# KiCad board retroslop.kicad_pcb (continued)
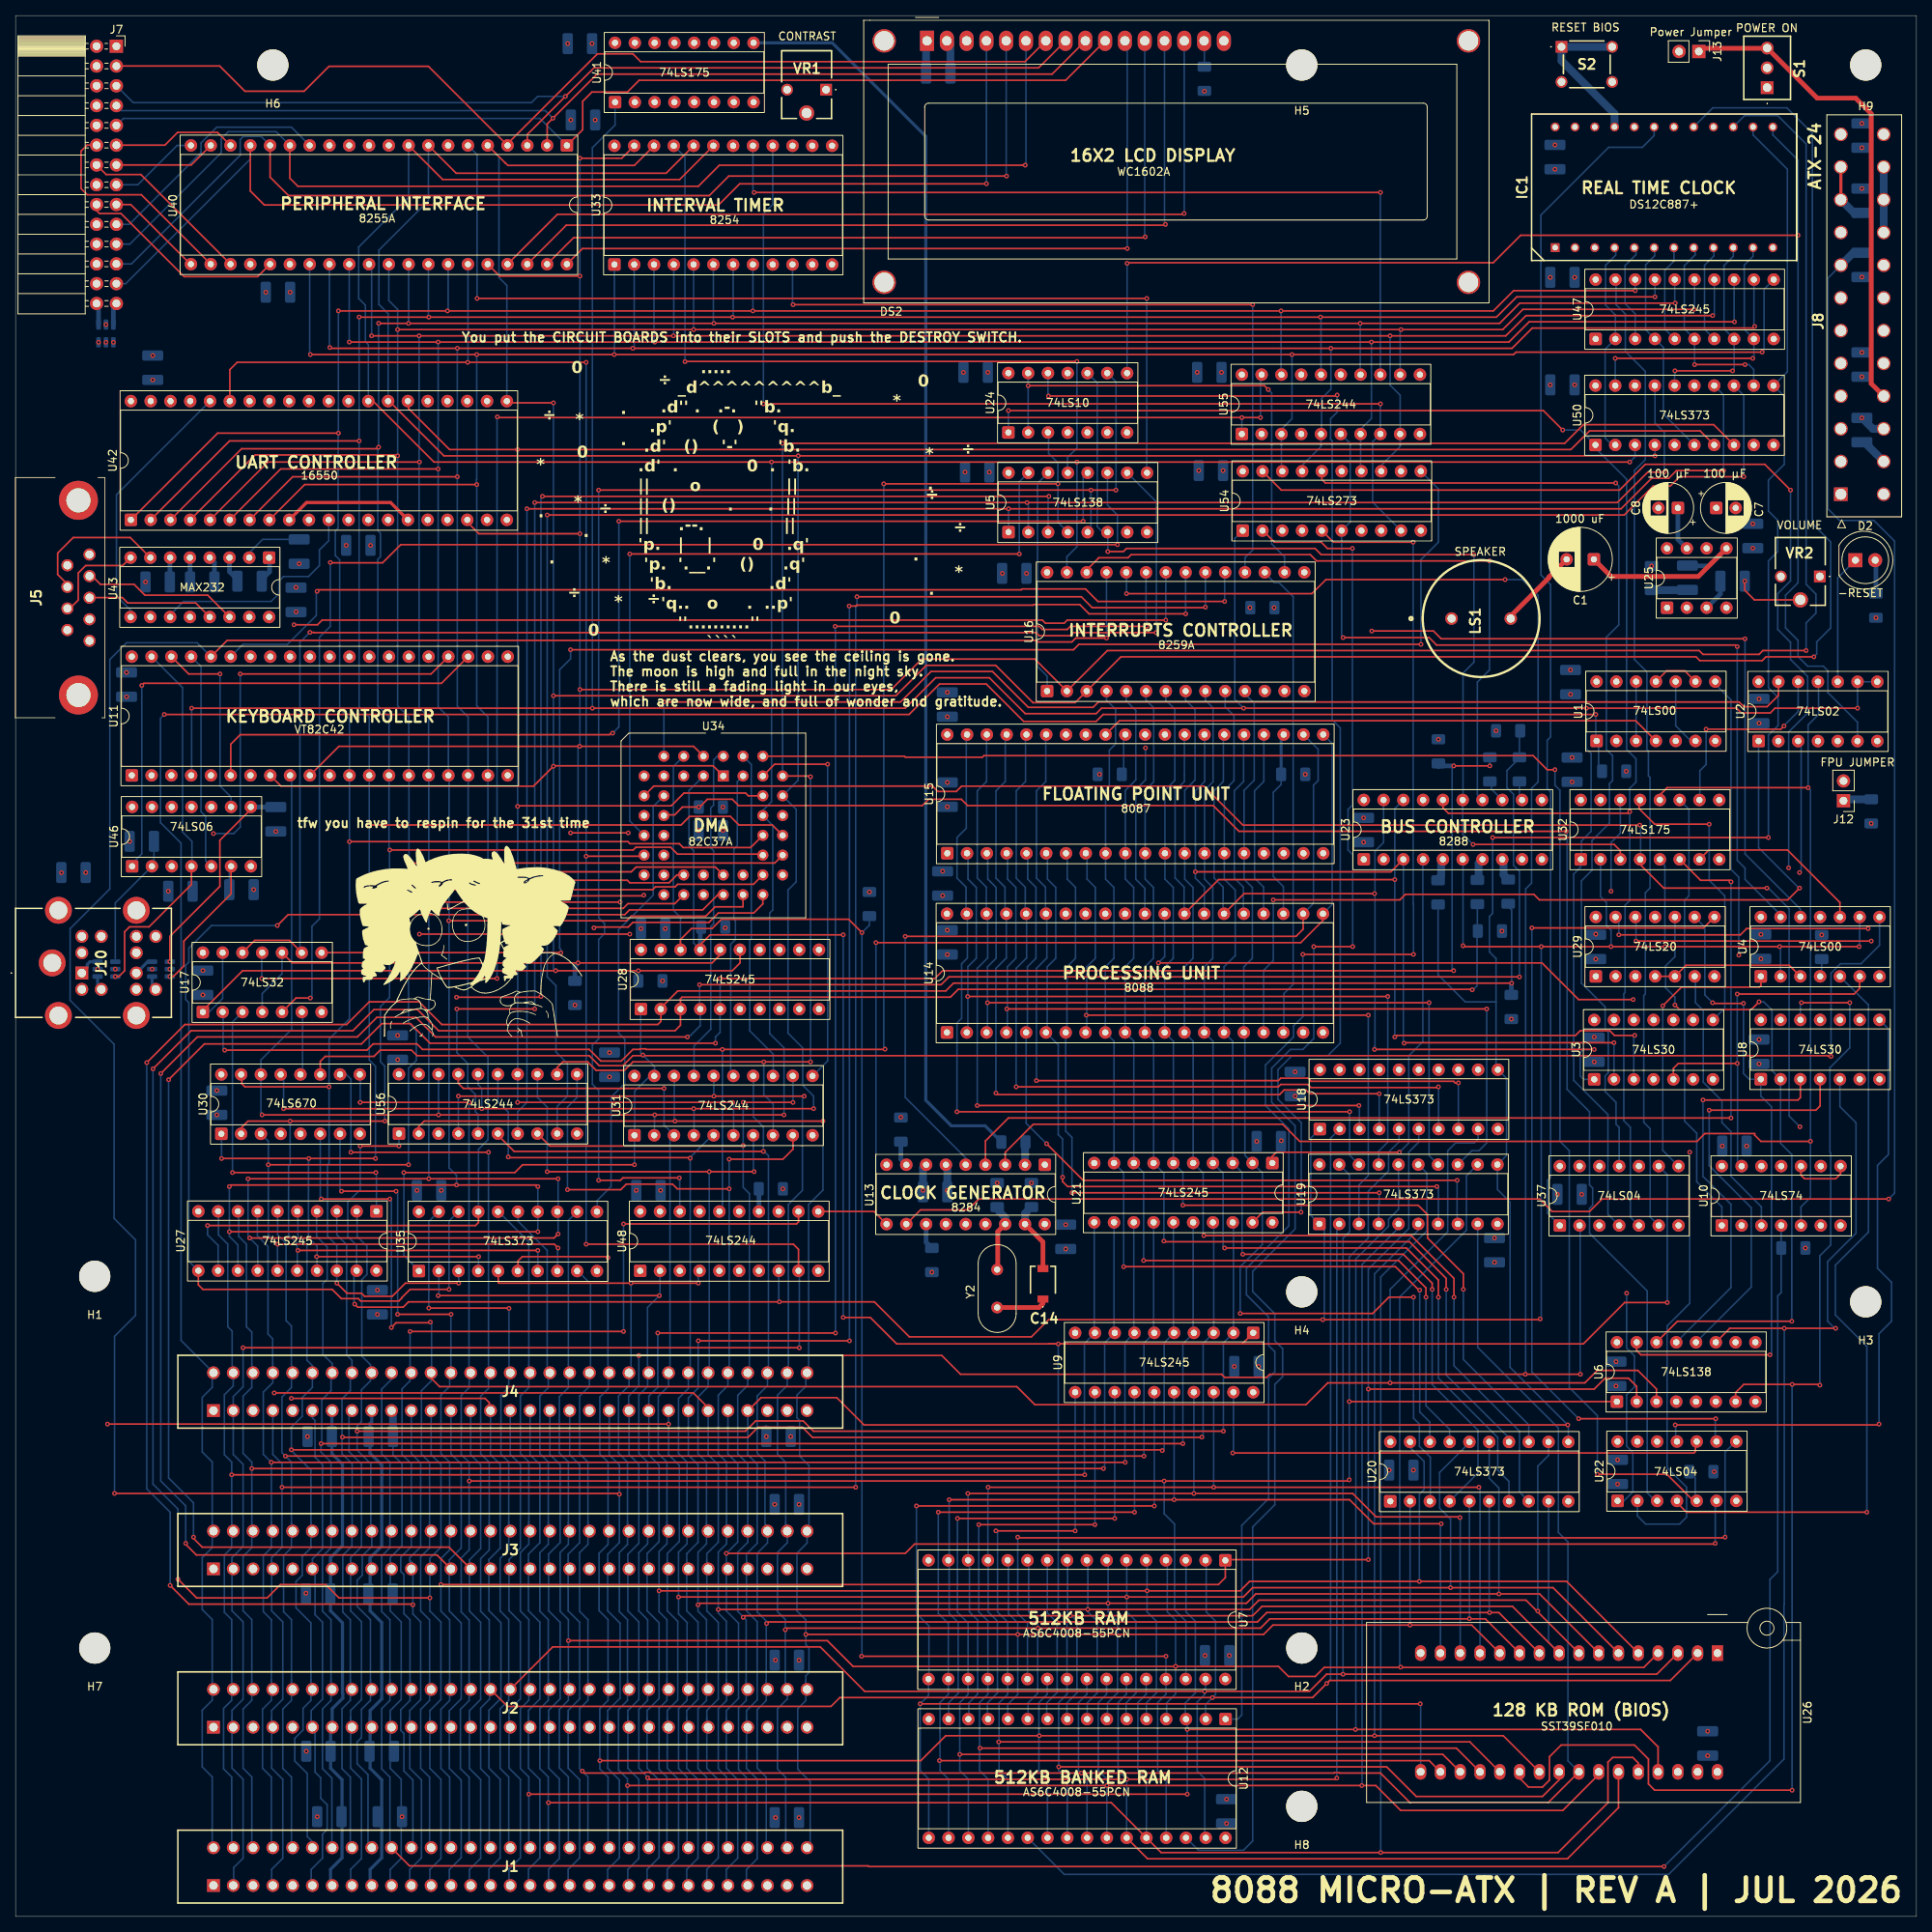
[diagram p0: board, top side]
## Routing (per net, layer and track width the routed paths; a pad name or vN(x,y) marks a point on that pad's centre or on a via; arc(x,y) is an arc through that point) (continued)
+12V: length 497.6
  Top w0.4: J8.10 J8.11
  In2.Cu w0.4: J8.10 236.2,218.46 239.74,218.46 241.6,216.6 241.6,189.4 241,188.8 238.8,188.8 237.8,187.8 237.8,185.8 239,184.6 240.8,184.6 242.4,183 242.4,5.8 238.96,2.36 47.37,2.36 45.72,4.01
  Bottom w0.4: J1.9 45.51,4.18 45.51,6.03 47,7.52 47,17.53 45.51,19.02 45.51,25.55 ; J4.9 45.72,63.52 45.5,63.3 45.5,59.45 47,57.95 47,47.54 45.51,46.05 45.51,45.36 ; 45.51,25.13 45.51,26.43 47,27.92 47,37.73 45.51,39.22 45.51,45.75
  Bottom w1: 237,218.56 236.1,218.56 J8.10
-12V: length 458.6
  In2.Cu w0.4: 239.8,186.8 241.2,186.8 243.2,184.8 243.2,4.6 240,1.4 43.25,1.4 40.64,4.01
  Bottom w0.4: J1.7 40.43,4.18 40.43,6.04 41.9,7.51 41.9,17.56 40.44,19.02 40.44,24.39 40.64,24.59 40.64,26.65 42,28.01 42,28.6 41.96,28.64 41.96,37.69 40.43,39.23 40.43,45.76 ; 40.43,45.37 40.43,46.06 41.96,47.59 41.96,58.04 40.6,59.4 C98.1 40.6,64.89 J4.7 40.5,64.79
  Bottom w1: J8.14 237.32,189.24 C99.1
GND: length 76.1
  Top w1: 234.72,145.84 J12.2
  Bottom w0.2: 48.09,25.55 48.09,19.02 49.5,17.61 49.5,7.44 48.09,6.03 48.09,4.14 J1.10 ; 48.09,45.36 48.09,46.05 49.6,47.56 49.6,58.1 48.44,59.26 C97.2 ; 48.09,45.75 48.09,39.22 49.5,37.81 49.5,27.84 48.09,26.43 48.09,25.13
  Bottom w1: v1(237,192.36) 238.4,190.96 J8.15 ; 116.88,237.2 116.88,240.43 117.2,240.76 ; J4.10 48.44,64.75 C97.2 ; U13.6 119.6,96.31 119.6,93.4 119.6,93.4 v1(119.6,93.2) ; 119.44,113.59 U14.1
  vias: v1(5.9,133.98) v1(11.6,202.06) v1(12.8,121.6) v1(14.24,156.56) v1(14.64,138) v1(16.67,171.3) v1(17.6,200.36) v1(19.6,131.6) v1(19.8,121.6) v1(24.04,118.29) v1(25.84,102.89) v1(30.56,131.8) v1(32.12,208.49) v1(33.4,139.28) v1(36,170.6) v1(36.4,173.64) v1(37.27,41.49) v1(37.31,21.2) v1(37.48,61.6) v1(38.72,12.8) v1(42.44,176) v1(46.44,77.28) v1(49.04,113.09) v1(49.6,12.8) v1(54.64,93.19) v1(70.88,240.4) v1(71.28,230.6) v1(76.24,110.89) v1(82.8,93.2) v1(83.4,126.8) v1(87.68,139.4) v1(99.5,61.6) v1(100.56,52.89) v1(100.56,32.89) v1(100.56,12.69) v1(119,134.16) v1(119.6,157.12) v1(119.6,142.44) v1(119.6,123.47) v1(121.68,198.2) v1(121.88,185.4) v1(126,94.15) v1(126.66,172.4) v1(130.4,94.15) v1(134.8,85.68) v1(151.68,198.2) v1(151.88,185.6) v1(152.68,33.49) v1(155.44,15.05) v1(156.44,70.6) v1(159.31,99.49) v1(164.24,105.29) v1(173.04,137.89) v1(179.44,57.29) v1(189.84,87.09) v1(197,210.4) v1(197,196.6) v1(197.6,224.28) v1(199.6,156.88) v1(199.8,148.76) v1(201.04,92.69) v1(202.64,109.69) v1(202.84,122.89) v1(205.44,68.09) v1(205.64,55.49) v1(210,173.35) v1(217.2,23.76) v1(222.2,98.89) v1(223,178.76) v1(223.8,153.17) v1(223.8,109.44) v1(224.04,122.93) v1(237,230.16) v1(237,221.8) v1(237,210.44) v1(237,200.76)
/Bus Driver/A0: length 286
  Top w0.2: v1(103.64,102.09) v1(84.64,102.09) 52.44,102.09 51.75,101.4 U56.2 ; v1(101.44,36.2) v1(128.64,36.2) 160.2,36.2 161.4,37.4 186.92,37.4 U26.12
  Bottom w0.2: 178.84,53.13 U20.2 v1(179,37.4) ; 101.44,29.96 101.44,30.89 101.84,31.29 101.84,34.49 101.44,34.89 v1(101.44,36.2) 101.44,38.06 100.3,39.2 100.3,46.63 101.6,47.93 J3.62 101.84,49.7 101.84,57.89 100.64,59.09 100.64,63.66 100.3,64 100.3,66.92 101.44,68.06 101.44,69.62 J4.62 101.8,69.98 101.8,91.4 103.64,93.24 v1(103.64,102.09) ; J1.62 102,9.22 102,17.3 100.4,18.9 100.4,26.66 101.44,27.7 101.44,30.38 ; v1(84.64,102.09) 84.55,102.18 84.55,107.91 ; 127.36,25.13 127.36,27.21 128.64,28.49 128.64,37.69 127.44,38.89 127.44,45.4 127.33,45.51
/Bus Driver/A1: length 285.6
  Top w0.2: v1(56.84,105.29) v1(89.64,105.29) v1(101.23,105.29) ; v1(98.8,36.8) 99,37 v1(131.24,37) 159.8,37 161,38.2 188.66,38.2 U26.11
  Bottom w0.2: 98.86,50.58 98.86,49.66 J3.61 99.06,47.97 97.8,46.71 97.8,39.12 98.8,38.12 v1(98.8,36.8) 98.8,30.02 98.86,29.96 ; v1(56.84,105.29) 56.83,105.28 U56.4 ; v1(101.23,105.29) 101,105.06 101,93.2 99.2,91.4 99.2,69.92 J4.61 99.06,68.16 97.8,66.9 97.8,59.35 98.86,58.29 98.86,50.19 ; 129.96,25.33 129.96,27.41 131.2,28.65 131.2,37.93 130.04,39.09 130.04,45.6 129.93,45.71 ; 89.63,107.91 89.63,105.5 89.64,105.49 v1(89.64,105.29) ; v1(186.62,38.22) U20.5 186.44,53.11 ; J1.61 98.86,9.02 98.86,17.86 97.8,18.92 97.8,26.64 99.06,27.9 99.06,29.44 ; 99.14,8.82 99.2,8.76
/Bus Driver/A2: length 276
  Top w0.2: v1(96.4,37.6) 96.6,37.8 133.4,37.8 133.47,37.87 133.53,37.87 v1(133.6,37.8) 159.4,37.8 160.6,39 190.4,39 U26.10 ; U56.6 61.91,100.29 64,98.2 95.75,98.2 95.85,98.3 95.9,98.3 v1(96,98.2)
  Bottom w0.2: 95.2,40.87 95.2,39.08 96.36,37.92 96.36,37.64 v1(96.4,37.6) 96.36,37.56 96.36,29.97 ; 94.71,107.91 94.71,102.62 96,101.33 v1(96,98.2) 96.1,98.2 96.64,97.66 96.64,69.9 J4.60 96.52,68.13 95.2,66.81 95.2,59.46 96.2,58.46 96.2,50.36 96.36,50.2 ; 189.04,53.17 U20.6 189.16,39.04 v1(189.2,39) ; J1.60 96.36,8.98 96.36,17.87 95.2,19.03 95.2,26.55 96.36,27.71 96.36,30.39 ; J3.60 96.52,47.94 95.2,46.62 95.2,40.89 ; 132.33,45.71 132.44,45.6 132.44,38.96 v1(133.6,37.8) 133.7,37.7 133.7,28.75 132.36,27.41 132.36,25.33
/Bus Driver/A3: length 285.7
  Top w0.2: U26.9 192.14,39.8 160,39.8 158.8,38.6 93.6,38.6 v1(93.4,38.4) ; v1(99.79,104.49) 93.64,104.49 93.63,104.5 v1(93.4,104.5) ; U56.8 68.58,98.89 93.33,98.89 v1(93.4,98.96)
  Bottom w0.2: 134.96,25.33 134.96,27.41 136.24,28.69 136.24,37.89 135.53,38.6 v1(135.4,38.6) 135.4,38.73 135.04,39.09 135.04,45.6 134.93,45.71 ; 93.78,29.97 93.78,38.07 92.7,39.15 92.7,46.74 93.98,48.02 J3.59 93.98,58.1 92.7,59.38 92.7,66.89 93.98,68.17 J4.59 94.2,70 94.2,92.78 93.4,93.58 v1(93.4,104.5) ; J1.59 93.78,9.02 93.78,17.87 92.8,18.85 92.8,26.73 93.78,27.71 93.78,30.39 ; U26.9 196.78,35.16 U20.9 ; v1(99.79,104.49) 99.79,107.91
/Bus Driver/A4: length 297.5
  Top w0.2: v1(70.84,93.29) 77.69,93.29 78.4,94 84.33,94 84.93,93.4 v1(91.6,93.4) ; v1(91.6,97.2) 98.5,97.2 99.79,98.49 99.79,100.28 ; v1(90.2,39.4) v1(137.64,39.4) 158.4,39.4 159.6,40.6 193.88,40.6 U26.8
  Bottom w0.2: 91.27,50.6 91.27,47.83 90.2,46.76 v1(90.2,39.4) 90.2,38.93 91.24,37.89 91.24,29.61 91.27,29.58 91.27,29.98 ; 91.27,30.4 91.27,27.72 90.2,26.65 90.2,18.95 91.27,17.88 91.27,8.99 J1.58 ; 72.07,108.1 72.07,105.12 70.84,103.89 v1(70.84,93.29) ; U20.12 196.78,59.18 195.4,57.8 v1(195.4,39.2) ; v1(91.6,97.2) v1(91.6,93.4) 91.6,69.94 J4.58 91.44,68.15 90.2,66.91 90.2,59.38 91.27,58.31 91.27,50.21 ; 137.53,45.71 137.64,45.6 v1(137.64,39.4) 137.64,39.09 138.84,37.89 138.84,28.69 137.56,27.41 137.56,25.33
/Bus Driver/A5: length 295.7
  Top w0.2: U26.7 195.62,41.4 159.2,41.4 158,40.2 87.8,40.2 v1(87.6,40) ; v1(94.8,95.6) v1(89.04,95.6) v1(68.24,95.6)
  Bottom w0.2: 88.69,30.4 88.69,27.72 87.6,26.63 87.6,18.97 88.69,17.88 88.69,9.03 J1.57 ; U20.15 189.16,56.24 190.4,55 v1(190.4,41.4) ; 88.69,50.21 88.69,58.31 87.6,59.4 87.6,66.69 88.9,67.99 J4.57 89.04,69.92 v1(89.04,95.6) ; 88.69,29.98 88.69,38.08 87.6,39.17 87.6,46.74 88.69,47.83 88.69,50.6 ; v1(94.8,95.6) 94.71,95.69 94.71,100.28 ; 140.16,25.33 140.16,27.41 141.44,28.69 141.44,37.89 140.24,39.09 v1(140.24,40.2) 140.24,45.6 140.13,45.71 ; v1(68.24,95.6) 68.24,103.89 66.99,105.14 66.99,108.1
/Bus Driver/A6: length 298.3
  Top w0.2: v1(63.24,97.49) 63.33,97.4 86.53,97.4 v1(86.6,97.33) 86.54,97.39 86.54,97.49 ; U26.6 197.36,42.2 158.8,42.2 157.6,41 v1(85.1,41)
  Bottom w0.2: 61.91,108.1 61.91,104.59 63.24,103.26 v1(63.24,97.49) ; 86.19,50.22 86.19,58.32 85.1,59.41 85.1,66.5 86.36,67.76 J4.56 86.6,70.02 v1(86.6,97.33) 86.64,97.37 86.64,97.49 89.43,100.28 89.63,100.28 ; 86.19,29.99 86.19,37.64 ; 86.19,50.61 86.19,47.84 85.1,46.75 85.1,38.83 86.24,37.69 ; J1.56 86.19,8.99 86.19,17.89 85.1,18.98 85.1,26.64 86.19,27.73 86.19,30.41 ; 142.53,45.71 142.64,45.6 v1(142.64,41) 142.64,39.09 143.81,37.92 143.81,28.66 142.56,27.41 142.56,25.33 ; v1(184.2,42.2) 184.2,51 182.8,52.4 182.8,57 186.62,60.82 U20.16
/Bus Driver/A7: length 300.1
  Top w0.2: v1(82.6,41.8) v1(145.24,41.8) 157.2,41.8 158.4,43 199.1,43 U26.5 ; v1(83.24,106.29) 57.47,106.29 56.83,106.93 56.83,108.1
  Bottom w0.2: v1(180.2,43) 180.2,54.2 180.8,54.8 180.8,58.4 179,60.2 U20.19 ; U12.5 145.16,27.41 146.44,28.69 146.44,37.89 145.24,39.09 145.24,45.6 U7.5 ; 83.61,30.41 83.61,27.73 82.6,26.72 82.6,18.9 83.61,17.89 83.61,9.03 J1.55 ; v1(83.24,106.29) 83.24,101.59 84.55,100.28 84,99.74 84,69.96 J4.55 83.82,68.08 82.5,66.76 82.5,59.43 83.61,58.32 83.61,50.22 ; 83.61,50.61 83.61,47.84 82.6,46.83 82.6,39.1 83.61,38.09 83.61,29.99
/Bus Driver/A8: length 362.8
  Top w0.2: U12.27 145.31,7.4 199.2,7.4 205.76,13.96 U26.27 ; v1(81.13,17.8) 81.33,17.6 v1(142.65,17.6) 169.44,17.6 v1(169.6,17.76) ; v1(54.24,79.69) v1(82.64,79.69)
  Bottom w0.2: 81.13,70.83 81.13,68.03 80,66.9 80,59.44 81.13,58.31 81.13,50.21 ; 81.12,70.81 81.12,78.17 v1(82.64,79.69) 82.72,79.77 U48.2 ; v1(169.6,17.76) 169.6,88.59 U19.2 ; 81.13,50.6 81.13,47.83 80,46.7 80,39.21 81.13,38.08 81.13,29.98 ; U7.27 142.59,28.52 141.52,27.45 141.52,18.73 v1(142.65,17.6) 142.62,17.57 U12.27 ; J1.54 81.13,8.97 v1(81.13,17.8) 81.13,17.9 80,19.03 80,26.59 81.13,27.72 81.13,30.4 ; v1(54.24,79.69) 54.34,79.79 54.34,82.89
/Bus Driver/A9: length 330
  Top w0.2: U26.26 203.22,18.22 198.6,13.6 177.8,13.6 174.6,16.8 v1(140.08,16.8) v1(78.55,16.8) ; 61.96,82.89 61.96,81.37 62.04,81.29 v1(79,81.29) v1(87.64,81.29)
  Bottom w0.2: v1(87.64,81.29) 87.64,82.71 U48.4 ; U7.26 140.05,28.52 138.98,27.45 138.98,19.89 ; U12.26 140.08,17.63 138.98,18.73 138.98,19.89 ; 138.98,19.89 138.98,18.75 ; 78.55,50.6 78.55,47.75 77.5,46.7 77.5,39.13 78.55,38.08 78.55,29.98 ; 78.74,8.62 78.8,8.56 ; 78.55,50.21 78.55,58.31 77.4,59.46 77.4,66.8 78.74,68.14 J4.53 79,70.04 v1(79,81.29) ; 78.55,30.4 78.55,27.72 77.4,26.57 77.4,18.8 78.55,17.65 v1(78.55,16.8) 78.55,9.01 J1.53 ; U19.5 177.52,88.37 172.84,83.69 172.84,16.84 v1(172.8,16.8)
/Bus Driver/A10: length 305.6
  Top w0.2: v1(75,20) 116.2,20 119.4,23.2 v1(131.4,23.2) 190.96,23.2 U26.23 ; 64.5,82.89 64.5,84.15 65.04,84.69 75.92,84.69 v1(76.04,84.57)
  Bottom w0.2: U19.6 180.06,88.11 174.44,82.49 v1(174.44,23.2) ; 76.05,29.99 76.05,38.09 74.9,39.24 74.9,46.61 76.05,47.76 76.05,50.61 ; 76.05,70.84 76.05,67.72 75,66.67 75,59.37 76.05,58.32 76.05,50.22 ; v1(76.04,84.57) 76.04,70.81 ; U12.23 132.46,17.63 131.36,18.73 131.36,27.45 132.43,28.52 U7.23 ; J1.52 76.05,8.97 76.05,17.89 75,18.94 75,26.68 76.05,27.73 76.05,30.41
/Bus Driver/A11: length 306.9
  Top w0.2: v1(72.75,18.65) 73,18.4 80.74,18.4 80.84,18.5 81.42,18.5 81.52,18.4 v1(136.8,18.4) 169.25,18.4 169.31,18.46 169.89,18.46 169.95,18.4 175.2,18.4 179,14.6 196.72,14.6 U26.25
  Bottom w0.2: J1.51 73.47,9.01 73.47,17.93 72.4,19 72.4,26.66 73.47,27.73 73.47,30.41 ; 73.47,50.22 73.47,58.32 72.4,59.39 72.4,66.79 73.66,68.05 J4.51 73.8,69.92 73.8,81.21 72.12,82.89 ; U19.9 187.68,73.05 198.04,62.69 198.04,49.29 199.26,48.07 199.26,19.98 U26.25 ; 73.47,29.99 73.47,38.09 72.4,39.16 72.4,46.69 73.47,47.76 73.47,50.61 ; U12.25 137.54,17.63 136.44,18.73 136.44,27.45 137.51,28.52 U7.25 ; 73.66,9.1 73.6,9.16
/Bus Driver/A12: length 319.2
  Top w0.2: v1(148.9,32.1) 148.91,32.09 162.11,32.09 163.4,30.8 166.82,30.8 167.98,31.96 209,31.96 U26.4 ; v1(148.9,32.1) 148.89,32.09 107.51,32.09 104.2,35.4 v1(70.96,35.4) ; v1(148.9,32.1) 149.04,32.24
  Bottom w0.2: 147.73,45.71 147.84,45.6 147.84,39.09 148.9,38.03 148.9,28.55 147.76,27.41 147.76,25.33 ; 70.96,50.62 70.96,47.77 69.9,46.71 69.9,39.16 70.96,38.1 70.96,30 ; v1(177.8,32) 177.68,32.12 177.68,79.53 186.24,88.09 186.24,95.07 U19.12 ; 70.96,50.23 70.96,58.33 69.8,59.49 69.8,66.71 70.96,67.87 70.96,70.85 ; 72.12,90.51 70.96,89.35 70.96,70.81 ; 70.96,30.42 70.96,27.74 69.8,26.58 69.8,19.06 70.96,17.9 70.96,8.98 J1.50
/Bus Driver/A13: length 351.6
  Top w0.2: U26.28 208.3,19.7 207.6,20.4 205,20.4 204.4,19.8 204.4,14.6 198,8.2 147.05,8.2 U12.28 140.65,14.6 v1(68.4,14.6)
  Bottom w0.2: v1(175.24,8.2) 175.24,82.09 181.16,88.01 181.16,95.41 U19.15 ; 68.38,30 68.38,38.1 67.3,39.18 67.3,46.69 68.38,47.77 68.38,50.62 ; 68.38,30.42 68.38,27.74 67.3,26.66 67.3,18.98 68.38,17.9 68.38,14.62 v1(68.4,14.6) 68.38,14.58 68.38,9.02 J1.49 ; 64.5,90.51 64.5,89.23 68.24,85.49 68.24,70.12 J4.49 68.38,69.58 68.38,67.87 67.3,66.79 67.3,59.41 68.38,58.33 68.38,50.23 ; U12.28 145.16,17.63 144.06,18.73 144.06,27.45 145.13,28.52 U7.28
/Bus Driver/A14: length 342
  Top w0.2: v1(65.88,15.69) v1(150.4,15.69) ; v1(150.4,24) 208.6,24 210.84,21.76 U26.29
  Bottom w0.2: 65.88,50.24 65.88,58.34 64.8,59.42 64.8,66.8 65.88,67.88 65.88,70.86 ; J1.48 65.88,8.98 v1(65.88,15.69) 65.88,17.91 64.8,18.99 64.8,26.67 65.88,27.75 65.88,30.43 ; 61.96,90.51 65.88,86.59 65.88,70.81 ; 65.88,50.63 65.88,47.78 64.8,46.7 64.8,39.19 65.88,38.11 65.88,30.01 ; v1(172,24) 172,24.12 172.04,24.16 172.04,84.39 176.24,88.59 176.24,89.49 177.52,90.77 U19.16 ; v1(150.4,15.69) 150.4,25.17 U12.3 ; 150.16,25.33 150.16,27.41 151.44,28.69 151.44,37.89 150.24,39.09 150.24,45.6 150.13,45.71
/Bus Driver/A15: length 340
  Top w0.2: J2.47 68.96,34.6 103.29,34.6 109,28.89 v1(152.64,28.89) 166.09,28.89 168.29,31.09 210.67,31.09 U26.3 ; v1(63.34,78.05) 63.3,78.09 v1(53.04,78.09)
  Bottom w0.2: 63.24,78.09 63.34,77.99 63.34,69.94 J4.47 63.3,69.58 63.3,67.88 62.3,66.88 62.3,59.34 63.3,58.34 63.3,50.24 ; J1.47 63.3,9.02 63.3,17.91 62.2,19.01 62.2,26.65 63.3,27.75 63.3,38.11 62.2,39.21 62.2,45.98 63.3,47.08 63.3,50.63 ; 54.34,90.51 53.04,89.21 v1(53.04,78.09) ; U19.19 171.24,95.17 171.24,87.89 170.4,87.05 v1(170.4,31.09) ; U7.31 152.75,28.98 152.66,28.89 v1(152.64,28.89) 152.64,28.49 151.68,27.53 151.68,18.65 152.64,17.69 152.64,10.23 U12.31 ; 63.34,78.05 v1(63.34,78.05)
/Bus Driver/A16: length 372.8
  Top w0.2: U26.2 212.41,30.29 168.69,30.29 v1(168.3,29.9) 166.49,28.09 v1(153.64,28.09) 105.8,28.09 104.67,26.96 63.14,26.96 J2.46 ; v1(43.04,98.09) v1(60.7,98.09)
  Bottom w0.2: 152.73,45.71 152.84,45.6 152.84,39.09 154.04,37.89 154.04,28.49 152.76,27.21 152.76,25.33 ; 60.8,29.57 60.84,29.53 60.84,27.89 59.7,26.75 59.7,18.96 60.8,17.86 60.8,8.98 J1.46 ; 60.8,29.96 60.8,38.06 59.7,39.16 59.7,45.93 60.8,47.03 60.8,50.58 ; v1(168.3,29.9) 168.8,30.4 168.8,99.91 U18.2 ; v1(43.04,98.09) 43.04,107.49 42.45,108.08 U30.10 ; 60.8,50.19 60.8,58.29 59.7,59.39 59.7,66.77 60.7,67.77 v1(60.7,98.09)
/Bus Driver/A17: length 338.1
  Top w0.2: v1(171.2,66.09) 205.54,66.09 U6.1 ; v1(58.24,55.89) v1(147.44,55.89) 171.04,55.89 v1(171.2,56.05) ; v1(58.24,104.49) 44.04,104.49 v1(44.24,104.49)
  Bottom w0.2: U7.30 150.24,30.5 150.24,37.89 148.77,39.36 148.77,50.36 147.44,51.69 v1(147.44,55.89) ; 58.22,50.19 58.22,58.29 57.2,59.31 57.2,66.85 58.22,67.87 58.22,68.92 ; J4.45 58.2,70 58.2,104.45 v1(58.24,104.49) ; 58.22,29.96 58.22,38.06 57.2,39.08 57.2,46.01 58.22,47.03 58.22,50.58 ; U30.9 44.24,108.03 v1(44.24,104.49) ; v1(171.2,56.05) v1(171.2,66.09) 171.2,84.65 173.64,87.09 173.64,93.09 176.24,95.69 176.24,98.09 177.58,99.43 U18.5 ; J1.45 58.22,9.02 58.22,17.86 57.1,18.98 57.1,26.58 58.22,27.7 58.22,30.38
/Bus Driver/A18: length 326.5
  Top w0.2: U6.2 208.09,68.04 207.04,69.09 204.04,69.09 202.64,67.69 v1(173.64,67.69) ; v1(55.9,77.29) v1(49.04,77.29) ; v1(173.64,45.8) 155.38,45.8 U7.1 155.29,43.49 154.4,42.6 v1(54.6,42.6) ; v1(48.84,93.09) v1(41.84,93.09)
  Bottom w0.2: v1(41.84,93.09) 41.65,93.28 U30.7 ; v1(55.9,77.29) 56,77.19 56,77.17 55.88,77.05 J4.44 55.72,69.62 55.72,68.04 54.6,66.92 54.6,59.42 55.72,58.3 55.72,50.2 ; J1.44 55.72,8.98 55.72,17.87 54.6,18.99 54.6,26.59 55.72,27.71 55.72,30.39 ; v1(49.04,77.29) 49.04,92.89 v1(48.84,93.09) ; v1(173.64,45.8) v1(173.64,67.69) 173.64,83.09 178.84,88.29 178.84,98.12 180.12,99.4 U18.6 ; 55.72,29.97 55.72,38.07 54.6,39.19 54.6,45.92 55.72,47.04 55.72,50.59
/Bus Driver/A19: length 312.7
  Top w0.2: v1(48.04,92.09) v1(39.24,92.09) ; U6.3 210.63,67.7 208.24,70.09 203.04,70.09 201.44,68.49 v1(176.44,68.49) 168.44,68.49 165.64,65.69 130.84,65.69 128.53,68 54.43,68 53.14,69.29 ; v1(48.24,75.6) 48.84,76.2 53.15,76.2 v1(53.24,76.29)
  Bottom w0.2: v1(48.04,92.09) 48.24,91.89 v1(48.24,75.6) ; J4.43 53.34,68.73 52.1,67.49 52.1,59.34 53.14,58.3 53.14,50.2 ; J4.43 53.4,69.84 53.4,76.13 v1(53.24,76.29) ; J4.43 53.14,69.98 ; 53.14,30.39 53.14,27.71 52,26.57 52,19.01 53.14,17.87 53.14,9.02 J1.43 ; U18.9 187.74,99.79 187.24,99.29 184.84,99.29 183.84,98.29 183.84,87.89 176.44,80.49 v1(176.44,68.49) ; v1(39.24,92.09) 39.24,92.29 39.11,92.42 U30.6 ; 53.14,29.97 53.14,38.07 52,39.21 52,46.16 53.14,47.3 53.14,50.59
/Bus Driver/AEN: length 135
  Top w0.2: v1(78.04,88.89) 100.24,88.89 100.5,89.15 U48.12 ; v1(50.64,75.09) v1(78.04,75.09)
  Bottom w0.2: 50.63,70.83 50.63,68.74 49.6,67.71 49.6,59.3 50.8,58.1 J3.42 50.8,47.48 49.44,46.12 49.44,44.29 49.84,43.89 49.84,38.87 50.63,38.08 50.63,29.98 ; 50.64,8.95 51,9.31 51,17.51 49.84,18.67 49.84,23.49 49.44,23.89 49.44,26.53 50.63,27.72 50.63,30.4 ; 50.64,70.81 v1(50.64,75.09) ; v1(78.04,75.09) v1(78.04,88.89)
/Bus Driver/D0: length 226.8
  Top w0.2: v1(155.04,62.29) 102.41,62.29 101.1,63.6 95,63.6 93.69,62.29 v1(43.84,62.29)
  Bottom w0.2: J3.40 45.72,47.49 44.5,46.27 44.5,43.8 43.84,43.14 43.84,39.8 45.55,38.09 45.55,29.99 ; 45.55,30.41 45.55,27.73 44.4,26.58 44.4,22.96 43.84,22.4 43.84,19.6 45.24,18.2 45.24,9.3 J1.40 ; v1(155.04,62.29) 155.04,73.62 U9.2 156.33,89 U21.18 ; 45.55,70.84 45.55,68.75 44.4,67.6 44.4,63.5 43.84,62.94 43.84,59.86 45.6,58.1 45.6,50.27 45.55,50.22 ; 45.56,70.81 44.44,71.93 44.44,81.74 45.1,82.4 45.1,86.03 43.84,87.29 43.84,90.45 U27.2
/Bus Driver/D1: length 224.7
  Top w0.2: v1(152.28,61.53) 152.15,61.53 152.11,61.49 102.3,61.49 100.99,62.8 95.32,62.8 94.01,61.49 42,61.49 v1(41.96,61.53)
  Bottom w0.2: 42.97,29.99 42.97,38.09 42,39.06 42,46.35 43.18,47.53 J3.39 43.2,49.48 43.2,58.09 41.9,59.39 41.9,61.47 v1(41.96,61.53) 41.9,61.59 41.9,66.43 42.97,67.5 42.97,68.95 ; U21.17 153.8,88.99 153.8,74.92 U9.3 152.44,73.56 152.44,61.69 v1(152.28,61.53) ; 42.97,30.41 42.97,27.73 41.9,26.66 41.9,18.96 42.97,17.89 42.97,9.03 J1.39 ; J4.39 43.18,71.38 42.5,72.06 42.5,86.23 41.24,87.49 U27.3
/Bus Driver/D2: length 225.6
  Top w0.2: v1(39.21,60.69) v1(149.84,60.69)
  Bottom w0.2: J4.38 40.64,70.96 39.44,72.16 39.44,81.24 40,81.8 40,85.93 38.64,87.29 38.64,90.45 U27.4 ; 40.49,68.94 40.49,67.49 39.3,66.3 39.3,60.78 v1(39.21,60.69) 39.21,59.59 40.49,58.31 40.49,50.21 ; v1(149.84,60.69) 149.84,73.5 U9.4 151.16,75 U21.16 ; 40.49,30.4 40.49,27.72 39.4,26.63 39.4,18.97 40.6,17.77 40.6,8.86 J1.38 ; 40.49,50.6 40.49,47.31 39.4,46.22 39.4,39.17 40.49,38.08 40.49,29.98
/Bus Driver/D3: length 230.6
  Top w0.2: v1(147.2,59.8) 147.11,59.89 35.49,59.89 35.48,59.9 v1(35.4,59.9)
  Bottom w0.2: 37.91,30.4 37.91,27.72 36.9,26.71 36.9,23.93 35.84,22.87 35.84,19.95 37.44,18.35 37.44,10.25 38.1,9.59 J1.37 ; 37.91,50.6 37.91,47.31 36.8,46.2 36.8,43.8 36,43 36,39.6 37.91,37.69 37.91,29.98 ; U27.5 36.24,90.43 36.24,87.29 37.4,86.13 37.4,71.4 38.1,70.7 J4.37 38.1,67.9 36.8,66.6 36.8,64.2 35.4,62.8 v1(35.4,59.9) 35.4,59.8 37.91,57.29 37.91,50.21 ; v1(147.2,59.8) 147.44,60.04 147.44,73.64 U9.5 148.62,75 U21.15
/Bus Driver/D4: length 226.9
  Top w0.2: v1(34.64,59.09) 36.13,59.09 v1(144.84,59.09)
  Bottom w0.2: 35.41,30.41 35.41,27.73 34.3,26.62 34.3,19 35.41,17.89 35.41,8.97 J1.36 ; 35.4,70.81 35.4,75.8 34.72,76.48 34.72,86.41 33.64,87.49 33.64,90.49 U27.6 ; U21.14 146.08,75 U9.6 144.84,73.58 v1(144.84,59.09) ; 35.41,50.61 35.41,47.32 34.4,46.31 34.4,39.1 35.41,38.09 35.41,29.99 ; 35.41,50.22 35.41,58.32 v1(34.64,59.09) 34.2,59.53 34.2,66.68 35.41,67.89 35.41,70.84
/Bus Driver/D5: length 227.1
  Top w0.2: v1(32.83,58.29) v1(142.44,58.29)
  Bottom w0.2: U21.13 143.54,75 U9.7 142.4,73.68 142.4,58.33 v1(142.44,58.29) ; U27.7 31.04,90.47 31.04,87.36 32.4,86 32.4,74.76 33,74.16 33,70.99 33.02,70.97 J4.35 33.02,68.52 31.8,67.3 31.8,59.32 v1(32.83,58.29) 32.83,50.22 ; 32.83,29.99 32.83,38.09 31.8,39.12 31.8,46.29 32.83,47.32 32.83,50.61 ; 32.83,30.41 32.83,27.73 31.7,26.6 31.7,19.02 32.83,17.89 32.83,9.01 J1.35
/Bus Driver/D6: length 227.8
  Top w0.2: v1(139.64,57.49) v1(30.32,57.49)
  Bottom w0.2: J1.34 30.32,8.98 30.32,17.9 29.2,19.02 29.2,26.62 30.32,27.74 30.32,30.42 ; 30.32,50.23 v1(30.32,57.49) 30.32,58.33 29.2,59.45 29.2,66.77 30.32,67.89 30.32,70.85 ; 30.32,70.81 30.32,75.01 29.64,75.69 29.64,86.29 28.64,87.29 28.64,90.41 U27.8 ; v1(139.64,57.49) 139.8,57.65 139.8,73.62 U9.8 141,75 U21.12 ; 30.32,50.62 30.32,47.33 29.2,46.21 29.2,39.22 30.32,38.1 30.32,30 ; 30.48,8.44 30.4,8.36
/Bus Driver/D7: length 227.8
  Top w0.2: v1(27.74,56.69) v1(137.24,56.69)
  Bottom w0.2: 27.74,50.62 27.74,47.33 26.8,46.39 26.8,39.04 27.74,38.1 27.74,30 ; U27.9 26.04,90.47 26.04,87.49 27.24,86.29 27.24,75.69 27.8,75.13 27.8,69.92 J4.33 ; 27.94,69.16 27.94,68.09 26.8,66.95 26.8,59.27 27.74,58.33 v1(27.74,56.69) 27.74,50.23 ; U21.11 138.46,75 U9.9 137.2,73.56 137.2,56.73 v1(137.24,56.69) ; J1.33 27.74,9.02 27.74,17.9 26.7,18.94 26.7,26.7 27.74,27.74 27.74,30.42
/Bus Driver/RESET: length 368.8
  Top w0.2: v1(73.24,136.09) 80.54,136.09 U34.15 ; U42.35 27.5,198.55 28.44,199.49 v1(58.04,199.49) v1(73.24,199.49) ; v1(73.24,86.29) 99.84,86.29 100.5,85.63 U48.9 ; v1(29.2,73) v1(100.6,73)
  Bottom w0.2: U40.35 58.07,199.52 v1(58.04,199.49) ; v1(73.24,86.29) v1(73.24,136.09) v1(73.24,199.49) ; v1(29.2,73) 29.2,67.99 27.94,66.73 J4.2 27.94,59.3 29.2,58.04 29.2,47.49 27.78,46.07 27.78,45.38 ; J1.2 28,4.03 28,6.27 29.2,7.47 29.2,17.62 27.78,19.03 27.78,25.57 ; U48.9 100.6,82.77 v1(100.6,73) ; 27.78,45.77 27.78,39.24 29.2,37.81 29.2,27.87 27.78,26.45 27.78,25.15
/Bus Driver/RESET BRD: length 186.9
  Top w0.2: U14.21 167.82,127.84 164.97,125 v1(110.44,125) ; U48.11 110.18,90.49 U13.10
  In3.Cu w0.2: U14.21 172.42,128.71 202.04,99.09 202.04,94.69 203.3,93.43 U37.3
  Bottom w0.2: U15.21 169,150.56 169,129.89 U14.21 ; v1(110.44,125) 110.44,90.23 U13.10
/Bus Driver/XA0: length 467
  Top w0.2: v1(31.64,102.89) v1(54.29,102.89) v1(82.04,102.89) v1(98.64,102.89) ; U33.19 85.24,222.96 54.82,222.96 U40.9 ; v1(207.2,186.69) 53.71,186.69 45.89,194.51 U42.28
  Bottom w0.2: U50.3 207.88,187.37 v1(207.2,186.69) ; v1(98.64,102.89) 98.64,111.49 96.8,113.33 96.8,128.8 97.2,129.2 97.2,140.03 U34.36 95.92,141.97 97.04,143.09 v1(97.04,186.69) ; 82.01,100.28 82.01,102.86 v1(82.04,102.89) ; U42.28 45.28,201.76 44.9,202.14 44.9,206.83 44.04,207.69 44.04,214.29 50.45,220.7 U40.9 ; U16.27 134.95,174.53 136.24,175.82 v1(136.24,186.69) ; U11.9 35.44,146.26 35.44,113.89 31.49,109.94 U30.14 31.49,103.24 31.64,103.09 v1(31.64,102.89) ; 54.29,108.1 v1(54.29,102.89)
/Bus Driver/XA1: length 407.6
  Top w0.2: U42.27 47.95,194.51 54.97,187.49 100.47,187.49 v1(100.47,187.49) 100.47,187.49 v1(210.44,187.49) ; v1(34.4,103.69) v1(59.84,103.69) v1(87.04,103.69) v1(102.44,103.69) ; U33.20 83.5,223.76 56.56,223.76 U40.8
  Bottom w0.2: v1(210.44,187.49) 210.44,188.87 U50.4 ; 87.09,100.28 87.09,103.64 v1(87.04,103.69) ; v1(34.4,103.69) 34.4,107.71 U30.13 ; U42.27 47.82,205.73 46.64,206.91 46.64,213.89 52.99,220.24 U40.8 ; v1(102.44,103.69) 102.44,105.29 101.04,106.69 101.04,111.49 99.15,113.38 99.15,131.75 100.2,132.8 100.2,142.11 U34.37 100.44,145.83 100.44,187.46 v1(100.47,187.49) ; 59.37,108.1 59.37,106.76 59.84,106.29 v1(59.84,103.69)
/Bus Driver/XA2: length 320.5
  Top w0.2: U50.7 216.24,190.69 202.04,190.69 199.64,188.29 98.77,188.29 98.77,188.29 98.11,188.29 98.11,188.29 64.44,188.29 v1(64.44,188.29) 55.71,188.29 50.44,193.56 50.44,194.43 U42.26 ; v1(64.44,142.49) 64.51,142.56 84.16,142.56 85.8,144.2 93.7,144.2 94.05,143.85 U34.38 ; v1(92.04,104.49) v1(64.44,104.49)
  Bottom w0.2: v1(64.44,188.29) v1(64.44,142.49) 64.45,142.48 64.45,104.7 64.44,104.69 v1(64.44,104.49) ; 92.17,100.28 92.17,104.22 92.04,104.35 v1(92.04,104.49)
/Bus Driver/XA3: length 251.6
  Top w0.2: v1(102.04,109.69) v1(96.04,109.69) 79.24,109.69 78.15,108.6 74.53,108.6 73.44,109.69 70.24,109.69 69.53,108.98 69.53,108.1 ; U34.39 101.94,146.39 v1(102.04,146.29) ; v1(98.44,189.09) 198.84,189.09 201.24,191.49 217.97,191.49 U50.8
  Bottom w0.2: U34.39 98.46,151.87 98.44,151.89 v1(98.44,189.09) ; 97.25,100.28 97.25,104.28 96.04,105.49 v1(96.04,109.69) ; v1(102.04,109.69) 102.04,116 102.03,116.01 102.03,116.93 102.04,116.94 102.04,123.62 102.03,123.63 102.03,124.55 102.04,124.56 v1(102.04,146.29)
/Bus Driver/XA4: length 248.9
  Top w0.2: v1(221.84,184.8) 213.6,184.8 212.4,183.6 210.2,183.6 206.49,179.89 v1(68.24,179.89)
  Bottom w0.2: 220.58,196.5 221.84,195.25 v1(221.84,184.8) ; U56.9 69.53,103.98 70.84,105.29 70.84,109.49 69.36,110.97 69.36,119.47 68.24,120.6 v1(68.24,179.89)
/Bus Driver/XA5: length 250.7
  Top w0.2: v1(65.64,180.69) v1(127.46,180.69) 206.09,180.69 210,184.6 212.2,184.6 213.2,185.6 v1(219.24,185.6)
  Bottom w0.2: v1(219.24,185.6) 219.24,195.31 218.04,196.5 ; v1(127.46,180.69) U5.1 ; v1(65.64,180.69) 65.64,104.49 64.45,103.3 U56.7
/Bus Driver/XA6: length 254.2
  Top w0.2: v1(66.64,181.49) v1(129.84,181.49) 205.61,181.49 209.52,185.4 v1(211.64,185.4) ; v1(66.64,116.49) v1(56.64,116.49)
  Bottom w0.2: v1(56.64,116.49) 56.64,110.89 58.04,109.49 58.04,106.49 59.04,105.49 59.04,103.29 59.37,102.96 U56.5 ; U5.2 130,181.33 v1(129.84,181.49) ; v1(211.64,185.4) 211.64,190.49 210.44,191.69 210.44,196.49 210.42,196.5 ; v1(66.64,116.49) v1(66.64,181.49)